# Altium PCB Control_Board_Model_C204.PcbDoc (part 1 of 6) (continued)
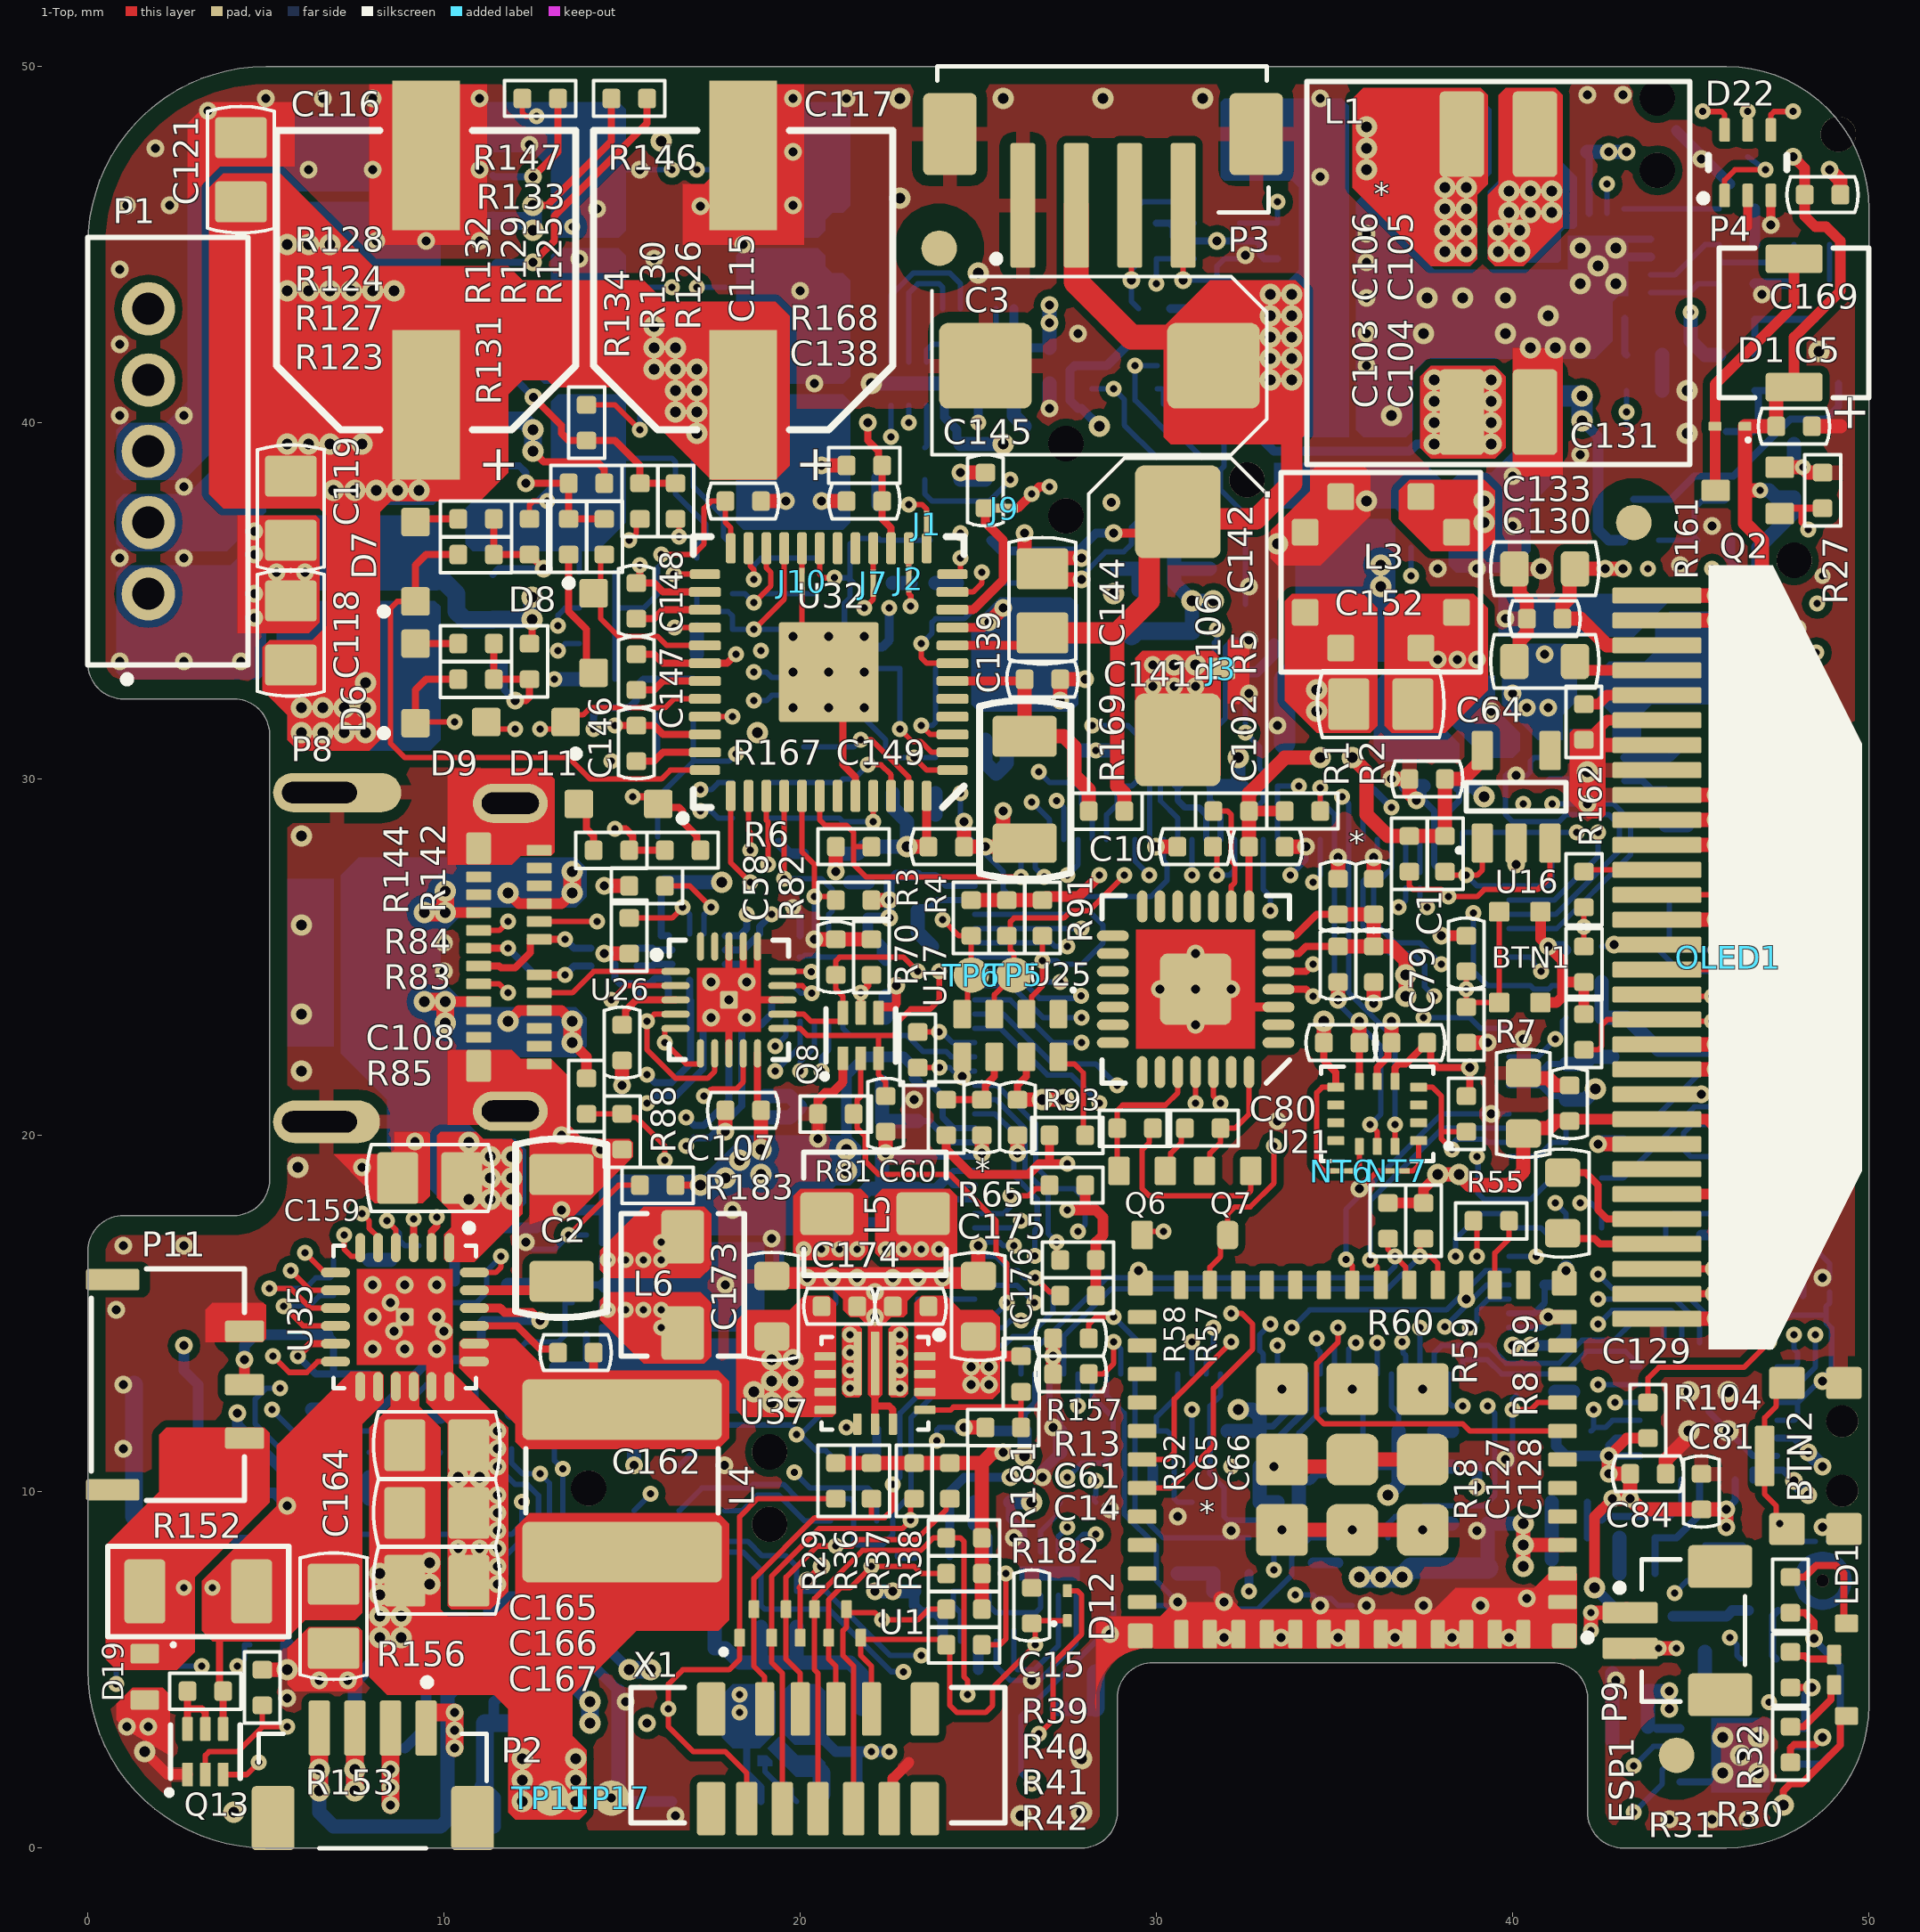
[diagram p0: 1-Top view]
## Components (designator, comment, footprint, x,y, rotation, side; value= is the part's Value field where it differs from the comment) (continued)
C157 "CAP CER 2.2UF 35V X5R 0603" C0603 43,33.6 r90 bottom (schematic designator C3)
C159 "CAP CER 1UF 25V X7R 0805" C0805 9.6,18.8 r180 top (schematic designator C3)
C162 "CAP CER 0.047UF 50V X7R 0402" C0402 13.7,13.9 r0 top (schematic designator C2)
C163 "CAP CER 4.7UF 10V X5R 0603" C0603 10.2,14.5 r0 bottom (schematic designator C8)
C164 "CAP CER 10uF X7R 10% 0805" C0805 6.9,6.5 r90 top (schematic designator C4)
C165 "CAP CER 10uF X7R 10% 0805" C0805 9.8,11.3 r180 top (schematic designator C5)
C166 "CAP CER 10uF X7R 10% 0805" C0805 9.8,9.4 r180 top (schematic designator C6)
C167 "CAP CER 10uF X7R 10% 0805" C0805 9.8,7.5 r180 top (schematic designator C7)
C168 "CAP CER 0.1UF 50V X7R 0402" C0402 14.8,12.5 r0 bottom (schematic designator C1)
C169 "CAP CER 0.1UF 50V X7R 0402" C0402 48.7,46.4 r180 top (schematic designator C1)
C173 "CAP CER 10UF 16V X5R 0603" C0603 19.2,15.2 r270 top (schematic designator C1)
C174 "CAP CER 0.1UF 50V X7R 0402" C0402 21.1,15.2 r180 top (schematic designator C2)
C175 "CAP CER 0.1UF 50V X7R 0402" C0402 23.1,15.2 r0 top (schematic designator C3)
C176 "CAP CER 47UF 6.3V X5R 0603" C0603 25,15.2 r270 top (schematic designator C4)
C177 "CAP CER 10UF 16V X5R 0603" C0603 18.3,14.4 r270 bottom (schematic designator C1)
C178 "CAP CER 0.1UF 50V X7R 0402" C0402 17,14.5 r270 bottom (schematic designator C2)
C179 "CAP CER 0.1UF 50V X7R 0402" C0402 17,17.1 r90 bottom (schematic designator C3)
C180 "CAP CER 47UF 6.3V X5R 0603" C0603 18.3,17.3 r90 bottom (schematic designator C4)
D1 "NSR0140P2T5G" SODFL100X40-2N#1 46.1,39.9 r180 top (schematic designator D4)
D2 "BAT30KFILM" SOD-523 4.6,9.3 r90 bottom (schematic designator D3)
D3 "SMF05CT1G" SOT363_SOP65P210X265-6N 47.9,28.8 r180 bottom (schematic designator D6)
D4 "DF2S23P2CTC,L3F" CST2C 7.1,24.3 r180 bottom (schematic designator D1)
D5 "PMEG4050EP,115" SOD-128 34.8,48 r0 bottom (schematic designator D1)
D6 "1N4148WSTR" SOD-323F 9.2,32.685 r90 top (schematic designator D1)
D7 "1N4148WSTR" SOD-323F 9.2,36.1 r90 top (schematic designator D2)
D8 "1N4148WSTR" SOD-323F 14.2,34.1 r270 top (schematic designator D3)
D9 "1N4148WSTR" SOD-323F 12.3,31.6 r180 top (schematic designator D5)
D10 "1N4148WSTR" SOD-323F 16,29.7 r90 bottom (schematic designator D4)
D11 "1N4148WSTR" SOD-323F 14.9,29.3 r180 top (schematic designator D6)
D12 "NSR0140P2T5G" SODFL100X40-2N#2 27.5,6.8 r90 top (schematic designator D2)
D14 "SMF05CT1G" SOT363_SOP65P210X265-6N 29.1,41.6 r0 bottom (schematic designator D3)
D15 "STPS1L60ZF" SOD-123FL 25.5,31.8 r270 bottom (schematic designator D1)
D16 "BAT30KFILM" SOD-523 21.9,34.3 r180 bottom (schematic designator D2)
D17 "STPS120MF" SODFL375X95-2N 35.2,33.968 r270 bottom (schematic designator D1)
D18 "MMSZ5226B-7-F" SOD-123 35.2,31 r0 bottom (schematic designator D2)
D19 "ESDA7P120-1U1M" ST_QFN_1610 1.6,4.8 r270 top (schematic designator D1)
D20 "ESDA7P120-1U1M" ST_QFN_1610 7.4,14.4 r0 bottom (schematic designator D2)
D21 "SMF05CT1G" SOT363_SOP65P210X265-6N 21.5,10.1 r270 bottom (schematic designator D1)
D22 "SMF05CT1G" SOT363_SOP65P210X265-6N 46.6,47.3 r90 top (schematic designator D1)
ESP1 "ESP32-PICO-MINI-02-N8R2" MODULE_ESP32-C3-MINI-1 35.5,10.9 r180 top locked (schematic designator ESP32_MOD)
FB3 "FERRITE BEAD 1 KOHM 0402 1LN" L0402 43.6,36.7 r0 bottom (schematic designator FB1)
FB4 "FERRITE BEAD 1 KOHM 0402 1LN" L0402 20.5,17.5 r180 bottom (schematic designator FB1)
FB5 "FERRITE BEAD 1 KOHM 0402 1LN" L0402 44,6.5 r0 bottom (schematic designator FB3)
FB7 "FERRITE BEAD 470 OHM 0603 1LN" L0603 40.8,39.9 r270 bottom (schematic designator FB1)
J1 "Net Tie" "Net Tie 6x30mil"#1 23.55,37.153 r90 top net-tie
J2 "Net Tie" "Net Tie 6x30mil"#1 23.05,35.622 r270 top net-tie (schematic designator J4)
J3 "Net Tie" "Net Tie 6x30mil"#2 31.822,33.1 r180 top net-tie (schematic designator J7)
J5 "Net Tie" "Net Tie 6x30mil"#1 18.122,39 r180 bottom net-tie (schematic designator J3)
J6 "Net Tie" "Net Tie 6x30mil"#1 18.078,43.8 r180 bottom net-tie (schematic designator J5)
J7 "Net Tie" "Net Tie 6x30mil"#1 22.05,35.497 r270 top net-tie (schematic designator J2)
J8 "Net Tie" "Net Tie 6x30mil"#1 18.078,47.1 r180 bottom net-tie (schematic designator J6)
J9 "Net Tie" "Net Tie 6x30mil"#3 25.722,37.6 r0 top net-tie (schematic designator J2)
J10 "Net Tie" "Net Tie 6x30mil"#1 20.05,35.547 r90 top net-tie (schematic designator J3)
J11 "Net Tie" "Net Tie 6x30mil"#1 29.5,30.578 r270 bottom net-tie (schematic designator J1)
L1 "FIXED IND COUIPLED 2.2UH 3.2A 22 MOHM SMD" IND_MSD1048H 39.6,44.2 r270 top
L2 "FIXED IND 22UH 600MA 450MOHM SMD" IND_WE_LQSH_3015 28.2,33.4 r180 bottom (schematic designator L1)
L3 "FIXED IND COUIPLED 6.8UH 1.2A 160 mOHM SMD" IND_LPD5030 36.3,35.8 r0 top (schematic designator L1)
L4 "FIXED IND 2.2UH 7.5A 16.1MOHM SM" IND_WE_MAPI 15,10.3 r270 top (schematic designator L1)
L5 "FIXED IND 1UH 5A 24 MOHM SMD" IND_IHLP-1212B00 22.1,17.8 r0 top (schematic designator L1)
L6 "FIXED IND 1UH 5A 24 MOHM SMD" IND_IHLP-1212B00 16.7,15.8 r90 top (schematic designator L1)
LD1 "EASV2713RGBA1" LED_EASV2713RGBA1 49.4,5 r90 top
NT1 "Net Tie" "Net Tie 6x30mil"#1 37.4,27.122 r270 bottom net-tie (schematic designator NT2)
NT2 "Net Tie" "Net Tie 6x30mil"#1 37,27.122 r270 bottom net-tie (schematic designator NT3)
NT3 "Net Tie" "Net Tie 6x30mil"#1 19.722,25 r180 bottom net-tie (schematic designator NT1)
NT4 "Net Tie" "Net Tie 6x30mil"#1 48.678,8.6 r180 bottom net-tie
NT5 "Net Tie" "Net Tie 6x30mil"#1 48.9,15.778 r270 bottom net-tie
NT6 "Net Tie" "Net Tie 6x30mil"#1 35.178,19 r180 top net-tie
NT7 "Net Tie" "Net Tie 6x30mil"#1 36.722,19 r180 top net-tie
OLED1 "QG-2864KSWEG01" QG-2864KSWEG01_FRONT 44.3,25 r180 top locked (schematic designator OLED)
P1 "BLDC Motor" CONN_JST_B5B-PH-K-S(LF)(SN) 2.25,39.2 r90 top (schematic designator P17)
P2 "Stepper Motor" CONN_JST_BM04B-NSHSS-TBT 8,1.6 r0 top locked (schematic designator P25)
P3 "DC Motor" CONN_JST_B4B-ZR-SM4-TF(LF)(SN) 28.5,48.1 r180 top (schematic designator P16)
P4 "BUZZ" SMT-0440-S-R_PUI 47.9,42.8 r90 top (schematic designator P2)
P5 "S201" CONN_0545500571#1 25,44.7 r0 bottom locked (schematic designator P20)
P6 "S202" CONN_0545500571#2 25,4.3 r180 bottom locked (schematic designator P28)
P8 "USB" MOLEX_2012670005 8.7,25 r270 top locked (schematic designator P10)
P9 "SP" CONN_JST_BM2B-SRSS-TB 45.1,6.1 r90 top (schematic designator P3)
P11 "BATT" CONN_JST_BM03B-AUHKS-GA-TB(LF)(SN) 0.7,13 r270 top (schematic designator P1)
Q1 "DMN32D2LV-7" SON_400UV-7_DIO 31.7,45.1 r0 bottom (schematic designator Q2)
Q2 "BSS816NWH6327XTSA1" SOT-323#1 46.6,38.1 r180 top (schematic designator Q3)
Q6 "BC847CW,115" SOT-323#1 29.6,18.1 r270 top (schematic designator Q4)
Q7 "BC847CW,115" SOT-323#2 32,18.1 r270 top (schematic designator Q5)
Q8 "DMN32D2LV-7" SON_400UV-7_DIO 21.7,22.8 r90 top (schematic designator Q1)
Q9 "BC847CW,115" SOT-323#1 48.5,42 r90 bottom (schematic designator Q1)
Q10 "STL36DN6F7" "POWERFLAT™ (5X6)" 8.7,35.1 r180 bottom (schematic designator Q1)
Q11 "STL36DN6F7" "POWERFLAT™ (5X6)" 8.7,40.7 r180 bottom (schematic designator Q2)
Q12 "STL36DN6F7" "POWERFLAT™ (5X6)" 8.7,46.3 r180 bottom (schematic designator Q3)
Q13 "EM6M2T2R" SON_400UV-7_DIO 3.3,2.7 r90 top (schematic designator Q9)
R1 "RES SMD 4.75K OHM 1% 1/16W 0402" R0402 37.1,27.9 r90 top (schematic designator R14)
R2 "RES SMD 4.75K OHM 1% 1/16W 0402" R0402 38.1,27.9 r90 top (schematic designator R15)
R3 "RES SMD 4.75K OHM 1% 1/16W 0402" R0402 24.8,26.1 r90 top (schematic designator R16)
R4 "RES SMD 4.75K OHM 1% 1/16W 0402" R0402 25.8,26.1 r90 top (schematic designator R17)
R5 "RES SMD 2.7K OHM 1% 1/16W 0402" R0402 34.1,29.1 r180 top (schematic designator R18)
R6 "RES SMD 2.7K OHM 1% 1/16W 0402" R0402 21.5,26.6 r0 top (schematic designator R19)
R7 "RES SMD 10K OHM 1% 1/16W 0402" R0402 38.7,23.1 r270 top (schematic designator R20)
R8 "RES SMD 100K OHM 1% 1/16W 0402" R0402 42,22.9 r270 top (schematic designator R21)
R9 "RES SMD 100K OHM 1% 1/16W 0402" R0402 42,24.8 r90 top (schematic designator R22)
R10 "RES SMD 100K OHM 1% 1/16W 0402" R0402 33,29.8 r0 bottom (schematic designator R23)
R11 "RES SMD 100K OHM 1% 1/16W 0402" R0402 28.9,30.3 r270 bottom (schematic designator R24)
R12 "RES SMD 100K OHM 1% 1/16W 0402" R0402 27.8,30.3 r270 bottom (schematic designator R25)
R13 "RES SMD 100K OHM 1% 1/16W 0402" R0402 27.8,15.5 r180 top (schematic designator R26)
R14 "RES SMD 100K OHM 1% 1/16W 0402" R0402 20.5,16 r0 bottom (schematic designator R27)
R15 "RES SMD 100K OHM 1% 1/16W 0402" R0402 31.5,11.7 r180 bottom (schematic designator R28)
R16 "RES SMD 100K OHM 1% 1/16W 0402" R0402 42,24.3 r180 bottom (schematic designator R29)
R17 "RES SMD 100K OHM 1% 1/16W 0402" R0402 42,23.3 r180 bottom (schematic designator R30)
R18 "RES SMD 100K OHM 1% 1/16W 0402" R0402 38.7,20.6 r270 top (schematic designator R31)
R19 "RES SMD 0 OHM JUMPER 1/16W 0402" R0402 42,17.2 r0 bottom (schematic designator R32)
R20 "RES SMD 0 OHM JUMPER 1/16W 0402" R0402 42,18.8 r0 bottom (schematic designator R33)
R21 "RES SMD 10K OHM 1% 1/16W 0402" R0402 30,45.1 r270 bottom (schematic designator R38)
R22 "RES SMD 10K OHM 1% 1/16W 0402" R0402 33.4,45.1 r90 bottom (schematic designator R39)
R23 "DNP*" R0402 31,41.6 r90 bottom (schematic designator R40)
R24 "RES SMD 10K OHM 1% 1/16W 0402" R0402 31.8,43.2 r0 bottom (schematic designator R41)
R25 "RES SMD 10K OHM 1% 1/16W 0402" R0402 29.9,43.2 r180 bottom (schematic designator R42)
R26 "DNP*" R0402 32,41.6 r270 bottom (schematic designator R43)
R27 "RES SMD 10K OHM 1% 1/16W 0402" R0402 48.7,38.1 r90 top (schematic designator R53)
R29 "RES SMD 100K OHM 1% 1/16W 0402" R0402 21,10.3 r90 top (schematic designator R55)
R30 "RES SMD 100 OHM 1% 1/16W 0402" R0402 47.8,5 r270 top (schematic designator R56)
R31 "RES SMD 100 OHM 1% 1/16W 0402" R0402 47.8,2.9 r270 top (schematic designator R57)
R32 "RES SMD 100 OHM 1% 1/16W 0402" R0402 47.8,7.1 r270 top (schematic designator R58)
R36 "RES SMD 100K OHM 1% 1/16W 0402" R0402 22,10.3 r90 top (schematic designator R62)
R37 "RES SMD 100K OHM 1% 1/16W 0402" R0402 23.2,10.3 r90 top (schematic designator R63)
R38 "RES SMD 100K OHM 1% 1/16W 0402" R0402 24.2,10.3 r90 top (schematic designator R64)
R39 "RES SMD 100K OHM 1% 1/16W 0402" R0402 24.6,8.7 r0 top (schematic designator R65)
R40 "RES SMD 100K OHM 1% 1/16W 0402" R0402 24.6,7.7 r0 top (schematic designator R66)
R41 "RES SMD 100K OHM 1% 1/16W 0402" R0402 24.6,6.7 r0 top (schematic designator R67)
R42 "RES SMD 0 OHM JUMPER 1/16W 0402" R0402 24.6,5.7 r0 top (schematic designator R12)
R55 "RES SMD 0 OHM JUMPER 1/16W 0402" R0402 39.4,17.6 r0 top (schematic designator R90)
R56 "RES SMD 0 OHM JUMPER 1/16W 0402" R0402 36,8.7 r0 bottom (schematic designator R69)
R57 "RES SMD 10K OHM 1% 1/16W 0402" R0402 31.3,20.2 r180 top (schematic designator R70)
R58 "RES SMD 10K OHM 1% 1/16W 0402" R0402 29.4,20.2 r0 top (schematic designator R71)
R59 "RES SMD 100K OHM 1% 1/16W 0402" R0402 37.5,17.6 r270 top (schematic designator R72)
R60 "RES SMD 100K OHM 1% 1/16W 0402" R0402 36.5,17.6 r270 top (schematic designator R73)
R63 "RES SMD 0 OHM JUMPER 1/16W 0402" R0402 23.5,38.9 r90 bottom (schematic designator R44)
R64 "RES SMD 0 OHM JUMPER 1/16W 0402" R0402 27.8,9.7 r180 bottom (schematic designator R45)
R65 "RES SMD 10K OHM 1% 1/16W 0402" R0402 27.5,18.6 r180 top (schematic designator R5)
R66 "DNP*" R0402 25,41.1 r270 bottom (schematic designator R47)
R67 "DNP*" R0402 24.2,7.7 r90 bottom (schematic designator R48)
R68 "RES SMD 68.1K OHM 1% 1/16W 0402" R0402 6.9,9.3 r90 bottom (schematic designator R1)
R69 "RES SMD 18.2K OHM 1% 1/16W 0402" R0402 10.4,13.1 r180 bottom (schematic designator R2)
R70 "RES SMD 18.2K OHM 1% 1/16W 0402" R0402 23.3,22.4 r270 top (schematic designator R3)
R71 "RES SMD 360KOHM 1% 1/16W 0402" R0402 6.4,7.8 r180 bottom (schematic designator R4)
R72 "RES SMD 10K OHM 1% 1/16W 0402" R0402 7.9,9.3 r270 bottom (schematic designator R5)
R73 "RES SMD 1K OHM 1% 1/16W 0402" R0402 9.4,11.1 r0 bottom (schematic designator R6)
R74 "RES SMD 47K OHM 1% 1/16W 0402" R0402 10.2,9.3 r270 bottom (schematic designator R7)
R75 "RES SMD 10K OHM 1% 1/16W 0402" R0402 19.9,6.7 r90 bottom (schematic designator R8)
R76 "RES SMD 10K OHM 1% 1/16W 0402" R0402 18.9,6.7 r90 bottom (schematic designator R9)
R77 "RES SMD 10K OHM 1% 1/16W 0402" R0402 12.9,11.7 r270 bottom (schematic designator R10)
R78 "RES SMD 10K OHM 1% 1/16W 0402" R0402 11.9,11.7 r270 bottom (schematic designator R11)
R79 "RES SMD 2.2 OHM 5% 1W 2512" R2512#1 6,2.8 r0 bottom (schematic designator R12)
R80 "RES SMD 2.2 OHM 5% 1W 2512" R2512#1 16.4,4.2 r270 bottom (schematic designator R13)
R81 "RES SMD 100K OHM 1% 1/16W 0402" R0402 21,20.6 r0 top (schematic designator R1)
R82 "RES SMD 100K OHM 1% 1/16W 0402" R0402 22,25 r270 top (schematic designator R2)
R83 "RES SMD 10K OHM 1% 1/16W 0402" R0402 15.2,25.6 r270 top (schematic designator R3)
R84 "RES SMD 10K OHM 1% 1/16W 0402" R0402 15.7,27 r180 top (schematic designator R4)
R85 "RES SMD 390K OHM 1% 1/16W 0402" R0402 14,21.1 r270 top (schematic designator R34)
R86 "RES SMD 390K OHM 1% 1/16W 0402" R0402 32.6,8.2 r90 bottom (schematic designator R35)
R87 "RES SMD 27K OHM 1% 1/16W 0402" R0402 29.3,6.8 r0 bottom (schematic designator R91)
R88 "RES SMD 75K OHM 1% 1/16W 0402" R0402 15,20.1 r90 top (schematic designator R36)
R89 "RES SMD 75K OHM 1% 1/16W 0402" R0402 31.6,8.2 r90 bottom (schematic designator R37)
R90 "RES SMD 75K OHM 1% 1/16W 0402" R0402 36,6.8 r180 bottom (schematic designator R92)
R91 "RES SMD 10K OHM 1% 1/16W 0402" R0402 26.8,26.1 r270 top (schematic designator R1)
R92 "RES SMD 402 OHM 1% 1/16W 0402" R0402 24.1,20.5 r270 top (schematic designator R2)
R93 "RES SMD 10K OHM 1% 1/16W 0402" R0402 27.5,20 r0 top (schematic designator R3)
R94 "RES SMD 54.9K OHM 1% 1/16W 0402" R0402 43.7,41.9 r180 bottom (schematic designator R1)
R95 "RES SMD 1.2K OHM 1% 1/16W 0402" R0402 48.4,45 r180 bottom (schematic designator R2)
R96 "DNP*" R0402 43.7,40.9 r0 bottom (schematic designator R3)
R97 "RES SMD 10K OHM 1% 1/16W 0402" R0402 46.3,43.9 r0 bottom (schematic designator R4)
R98 "RES SMD 2.7K OHM 1% 1/16W 0402" R0402 46.3,40.9 r0 bottom (schematic designator R5)
R99 "RES SMD 44.2K OHM 1% 1/16W 0402" R0402 46.3,42.9 r180 bottom (schematic designator R6)
R100 "RES SMD 11K OHM 1% 1/16W 0402" R0402 46.3,41.9 r180 bottom (schematic designator R7)
R101 "RES SMD 100 OHM 1% 1/16W 0402" R0402 46.9,5.3 r180 bottom (schematic designator R49)
R102 "RES SMD 63.4K OHM 1% 1/16W 0402" R0402 41.6,9.7 r180 bottom (schematic designator R50)
R103 "RES SMD 100K OHM 1% 1/16W 0402" R0402 41.7,11.7 r180 bottom (schematic designator R51)
R104 "RES SMD 100K OHM 1% 1/16W 0402" R0402 43.8,12 r270 top (schematic designator R52)
R105 "RES SMD 100 OHM 1% 1/16W 0402" R0402 31,10.2 r270 bottom (schematic designator R1)
R106 "RES SMD 1K OHM 1% 1/16W 0402" R0402 32.1,29.1 r180 top (schematic designator R3)
R107 "RES SMD 100 OHM 1% 1/16W 0402" R0402 39.5,11.7 r180 bottom (schematic designator R1)
R108 "RES SMD 10K OHM 1% 1/16W 0402" R0402 39.5,10.7 r0 bottom (schematic designator R2)
R109 "RES SMD 1.78K OHM 1% 1/16W 0402" R0402 18.1,35.7 r270 bottom (schematic designator R3)
R110 "RES SMD 1.78K OHM 1% 1/16W 0402" R0402 17.1,35.7 r270 bottom (schematic designator R12)
R111 "RES SMD 1.78K OHM 1% 1/16W 0402" R0402 21.3,33.1 r0 bottom (schematic designator R22)
R112 "RES SMD 1.78K OHM 1% 1/16W 0402" R0402 21.3,32.1 r0 bottom (schematic designator R31)
R113 "RES SMD 2.2K OHM 1% 1/16W 0402" R0402 14.3,35.8 r0 bottom (schematic designator R37)
R114 "RES SMD 2.2K OHM 1% 1/16W 0402" R0402 14.3,34.8 r0 bottom (schematic designator R38)
R115 "RES SMD 2.2K OHM 1% 1/16W 0402" R0402 14.3,33.8 r0 bottom (schematic designator R40)
R116 "RES SMD 27.4K OHM 1% 1/16W 0402" R0402 19.9,34.2 r0 bottom (schematic designator R9)
R117 "RES SMD 27.4K OHM 1% 1/16W 0402" R0402 17.6,34.2 r0 bottom (schematic designator R15)
R118 "RES SMD 27.4K OHM 1% 1/16W 0402" R0402 22.6,30.1 r270 bottom (schematic designator R28)
R119 "RES SMD 27.4K OHM 1% 1/16W 0402" R0402 23.8,30.1 r90 bottom (schematic designator R34)
R120 "RES SMD 24.3K OHM 1% 1/16W 0402" R0402 14.3,32.8 r0 bottom (schematic designator R39)
R121 "RES SMD 13.7K OHM 1% 1/16W 0402" R0402 20.4,35.7 r90 bottom (schematic designator R4)
R122 "RES SMD 13.7K OHM 1% 1/16W 0402" R0402 23.3,33.1 r0 bottom (schematic designator R23)
R123 "RES SMD 62 OHM 1% 1/16W 0402" R0402 10.9,32.8 r0 top (schematic designator R2)
R124 "RES SMD 62 OHM 1% 1/16W 0402" R0402 10.9,36.3 r0 top (schematic designator R11)
R125 "RES SMD 62 OHM 1% 1/16W 0402" R0402 14.5,36.8 r90 top (schematic designator R20)
R126 "RES SMD 62 OHM 1% 1/16W 0402" R0402 16.5,37.8 r90 top (schematic designator R29)
R127 "RES SMD 10 OHM 1% 1/16W 0402" R0402 10.9,33.8 r0 top (schematic designator R1)
R128 "RES SMD 10 OHM 1% 1/16W 0402" R0402 10.9,37.3 r0 top (schematic designator R8)
R129 "RES SMD 10 OHM 1% 1/16W 0402" R0402 13.5,36.8 r90 top (schematic designator R18)
R130 "RES SMD 10 OHM 1% 1/16W 0402" R0402 15.5,37.8 r90 top (schematic designator R26)
R131 "RES SMD 75K OHM 1% 1/16W 0402" R0402 12.4,33.3 r90 top (schematic designator R7)
R132 "RES SMD 75K OHM 1% 1/16W 0402" R0402 12.4,36.8 r90 top (schematic designator R14)
R133 "RES SMD 75K OHM 1% 1/16W 0402" R0402 14,38.3 r0 top (schematic designator R24)
R134 "RES SMD 75K OHM 1% 1/16W 0402" R0402 14,40 r90 top (schematic designator R32)
R135 "RES 0.04 OHM 1% 2W  2512" R2512#2 16.9,38.9 r180 bottom (schematic designator R17)
R136 "RES 0.04 OHM 1% 2W  2512" R2512#2 16.9,43 r180 bottom (schematic designator R35)
R137 "RES SMD 1.78K OHM 1% 1/16W 0402" R0402 18.6,29.9 r0 bottom (schematic designator R5)
R138 "RES SMD 1.78K OHM 1% 1/16W 0402" R0402 18.6,28.9 r0 bottom (schematic designator R13)
R139 "RES SMD 27.4K OHM 1% 1/16W 0402" R0402 21.1,28.4 r270 bottom (schematic designator R10)
R140 "RES SMD 27.4K OHM 1% 1/16W 0402" R0402 20.1,28.4 r90 bottom (schematic designator R16)
R141 "RES SMD 62 OHM 1% 1/16W 0402" R0402 17,32.3 r90 bottom (schematic designator R21)
R142 "RES SMD 62 OHM 1% 1/16W 0402" R0402 16.7,28 r180 top (schematic designator R30)
R143 "RES SMD 10 OHM 1% 1/16W 0402" R0402 16,32.3 r90 bottom (schematic designator R19)
R144 "RES SMD 10 OHM 1% 1/16W 0402" R0402 14.7,28 r0 top (schematic designator R27)
R145 "RES SMD 13.7K OHM 1% 1/16W 0402" R0402 20.1,30.4 r90 bottom (schematic designator R6)
R146 "RES SMD 75K OHM 1% 1/16W 0402" R0402 15.2,49.1 r180 top (schematic designator R25)
R147 "RES SMD 75K OHM 1% 1/16W 0402" R0402 12.7,49.1 r180 top (schematic designator R33)
R148 "RES 0.04 OHM 1% 2W  2512" R2512#3 16.9,47.1 r180 bottom (schematic designator R36)
R149 "RES SMD 10K OHM 1% 1/16W 0402" R0402 46.8,17.2 r0 bottom (schematic designator R1)
R150 "RES SMD 10K OHM 1% 1/16W 0402" R0402 44.8,17.2 r180 bottom (schematic designator R2)
R151 "RES SMD 10K OHM 1% 1/16W 0402" R0402 42,25.3 r0 bottom (schematic designator R3)
R152 "RES 0.01 OHM 1% 1/2W 1206" R1206 3.1,7.2 r180 top (schematic designator R5)
R153 "RES SMD 100K OHM 1% 1/16W 0402" R0402 3.3,4.4 r0 top (schematic designator R6)
R154 "RES SMD 10K OHM 1% 1/16W 0402" R0402 9.8,16.9 r180 bottom (schematic designator R7)
R155 "RES SMD 10K OHM 1% 1/16W 0402" R0402 9.8,15.9 r180 bottom (schematic designator R8)
R156 "RES SMD 100K OHM 1% 1/16W 0402" R0402 4.9,4.5 r270 top (schematic designator R46)
R157 "RES SMD 10K OHM 1% 1/16W 0402" R0402 27.8,16.5 r180 top (schematic designator R9)
R158 "RES SMD 10K OHM 1% 1/16W 0402" R0402 24.9,11.7 r180 bottom (schematic designator R10)
R159 "RES SMD 0 OHM JUMPER 1/16W 0402" R0402 12.6,13.5 r0 bottom (schematic designator R11)
R160 "RES SMD 0 OHM JUMPER 1/16W 0402" R0402 19.4,1.3 r180 bottom (schematic designator R13)
R161 "RES SMD 910K OHM 1% 1/16W 0402" R0402 42,31.6 r270 top (schematic designator R1)
R162 "RES SMD 1K OHM 1% 1/16W 0402" R0402 42,26.9 r90 top (schematic designator R2)
R163 "RES SMD 100 OHM 1% 1/16W 0402" R0402 45.4,8 r90 bottom (schematic designator R88)
R165 "RES SMD 100 OHM 1% 1/16W 0402" R0402 32.5,34.4 r270 bottom (schematic designator R3)
R166 "RES SMD 39K OHM 1% 1/16W 0402" R0402 32,35.9 r0 bottom (schematic designator R2)
R167 "RES SMD 10K OHM 1% 1/16W 0402" R0402 21.5,28.1 r180 top (schematic designator R5)
R168 "RES SMD 10K OHM 1% 1/16W 0402" R0402 21.8,38.8 r180 top (schematic designator R4)
R169 "DNP*" R0402 28.6,29.1 r0 top (schematic designator R1)
R170 "RES 169K OHM 0.1% 1/8W 0603" R0603 24.5,36.7 r0 bottom (schematic designator R6)
R171 "RES SMD 9.31KOHM 0.1% 1/10W 0603" R0603 22.2,37.6 r270 bottom (schematic designator R7)
R172 "RES SMD 3.4 OHM 1% 1/10W 0603" R0603 37.9,32.4 r180 bottom (schematic designator R1)
R173 "RES SMD 10K OHM 1% 1/16W 0402" R0402 39.9,30.6 r90 bottom (schematic designator R1)
R174 "RES SMD 100 OHM 1% 1/2W 0805" R0805 44.7,31.8 r90 bottom (schematic designator R2)
R175 "RES SMD 200 OHM 1% 1/16W 0402" R0402 7.4,15.5 r0 bottom (schematic designator R3)
R176 "RES SMD 10K OHM 1% 1/16W 0402" R0402 7.4,16.5 r0 bottom (schematic designator R4)
R177 "RES SMD 5.36K OHM 1% 1/16W 0402" R0402 7.9,12.8 r90 bottom (schematic designator R1)
R178 "RES SMD 31.6K OHM 1% 1/16W 0402" R0402 6.9,12.8 r90 bottom (schematic designator R2)
R181 "RES SMD 560K OHM 1% 1/16W 0402" R0402 26.2,13.3 r90 top (schematic designator R1)
R182 "RES SMD 180K OHM 1% 1/16W 0402" R0402 25.7,11.8 r0 top (schematic designator R2)
R183 "RES SMD 560K OHM 1% 1/16W 0402" R0402 16,18.6 r0 top (schematic designator R1)
R184 "RES SMD 180K OHM 1% 1/16W 0402" R0402 12.5,16.3 r90 bottom (schematic designator R2)
TP1 "Test Point Pad" Testpoint 43.4,1 r0 bottom
TP2 "Test Point Pad" Testpoint 43.4,2.3 r0 bottom
TP3 "Test Point Pad" Testpoint 41.1,27.7 r0 bottom
TP4 "Test Point Pad" Testpoint 36.1,29.7 r0 bottom
TP5 "Test Point Pad" Testpoint 26,24.5 r180 top
TP6 "Test Point Pad" Testpoint 24.8,24.5 r180 top
TP7 "Test Point Pad" Testpoint 34.8,40.2 r0 bottom
TP8 "Test Point Pad" Testpoint 44.7,34.2 r0 bottom
TP9 "Test Point Pad" Testpoint 21.6,1.3 r0 bottom
TP10 "Test Point Pad" Testpoint 15.1,18.4 r0 bottom
TP11 "Test Point Pad" Testpoint 13,1.4 r180 top
TP12 "Test Point Pad" Testpoint 7.6,25.7 r0 bottom
TP13 "Test Point Pad" Testpoint 6.3,25.7 r0 bottom
TP14 "Test Point Pad" Testpoint 36.6,40.2 r0 bottom
TP15 "Test Point Pad" Testpoint 23.1,1.3 r0 bottom
TP16 "Test Point Pad" Testpoint 15.1,19.8 r0 bottom
TP17 "Test Point Pad" Testpoint 14.7,1.4 r180 top
TP18 "Test Point Pad" Testpoint 44.7,35.5 r0 bottom
U1 "D3V3F8U9LP3810-7" U-DFN3810-9 20,6.3 r0 top (schematic designator U7)
U6 "TPD3F303DPVR" DPV8_1P7X0P4 23.3,41.1 r270 bottom (schematic designator U3)
U7 "TPD3F303DPVR" DPV8_1P7X0P4 27,7.7 r90 bottom (schematic designator U4)
U8 "LTC2942CDCB#TRMPBF" DFN6 3.1,6.2 r180 bottom (schematic designator U2)
U9 "STSPIN220" VFQFPN-16_STM 12,6.3 r180 bottom (schematic designator U1)
U11 "TS3USB3031RMGR" RMG12_TEX 17.1,25 r270 bottom (schematic designator U1)
U15 "ECMF02-2AMX6" QFN-6L 14.775,24.75 r180 bottom (schematic designator U1)
U16 "24LC00T-I/OT" SOT-23-5 40.1,29.5 r90 top (schematic designator U1)
U17 "RV-3028-C7 32.768KHZ 1PPM-TA-QC" "8-SON (3.2x1.5)" 25.9,22.8 r270 top (schematic designator U1)
U18 "TPS55340RTET" RTE0016C 42.4,44.4 r270 bottom (schematic designator U1)
U19 "TSB7191AILT" SOT-23-5 44.7,38.8 r0 bottom (schematic designator U2)
U20 "TS3USBCA410IRSVT" RSV16_TEX 20.2,24.4 r180 bottom (schematic designator U1)
U21 "BMI270" XDCR_BMI270 36.2,20.6 r180 top (schematic designator U1)
U22 "CMX655DQ6" QFN50P400X400X100_HS-25N 45.5,12.25 r90 bottom (schematic designator U6)
U23 "IC SIT1533AI-H4-DCC-32.768E MEMS OSC XO 32.7680KHZ LVCMOS" XTAL4_SiT1533_SIT 35.3,10.6 r90 bottom (schematic designator U2)
U24 "STM32G473QET6" LPQFP-128 32.4,20.8 r90 bottom locked (schematic designator U1)
U25 "CP2102N-A02-GQFN28R" QFN28_5X5 31.1,24.1 r180 top (schematic designator U1)
U26 "TPD6S300ARUKR" WQFN20_RUK_TEX 18,23.8 r0 top (schematic designator U1)
U27 "LDLN025PU18R" DFN65P100X40-4N 19.4,2.8 r180 bottom (schematic designator U1)
U28 "MT29F2G01ABAGDWB-IT:G TR" U-PDFN-8_8X6_P127 46.3,22.5 r90 bottom (schematic designator U1)
U29 "PCA9632TK,118" SOT908-1 46.4,2.6 r180 bottom (schematic designator U1)
U30 "SPH0641LM4H-1" MIC_SPH0641LM4H-1 48.7,7.5 r270 bottom (schematic designator U12)
U32 "STSPIN32F0ATR" VFQFPN-48 20.8,33 r180 top (schematic designator U1)
U33 "TPS61169DCKR" DCK0005A_L 37.8,35.4 r90 bottom (schematic designator U1)
U34 "TPS22810DRVT" "WSON-6 065" 42.1,30.6 r180 bottom (schematic designator U1)
U35 "BQ25890RTWT" WQFN-24 8.9,14.9 r270 top (schematic designator U1)
U37 "TPS630250RNCT" VFQFN-14 22.1,13.045 r270 top (schematic designator U1)
U38 "TPS630250RNCT" VFQFN-14 14.745,15.8 r180 bottom (schematic designator U1)
X1 "Membrane keypads" CONN_0525590952 20.5,2.5 r0 top locked
X5 "Caption" TC2030-IDC-NL 47.9,33.6 r270 bottom
X7 "Caption" TC2030-IDC-NL 30,38.4 r180 bottom (schematic designator X1)
X8 "DEBUG" TC2030-IDC-NL 16.6,10.1 r0 bottom (schematic designator X1)
X9 "SWD" TC2030-IDC-NL 46.6,48.1 r180 bottom (schematic designator X1)

## Footprints (in the part's own frame and the unit in brackets; to place one, negate y for a bottom-side part, rotate by r counter-clockwise, add the part's x,y. Pads: shape width x height; smd on the part's side, far side on the other; paste and mask are expansions set on the pad)
"8-SON (3.2x1.5)" [mm] "8-WCDFN"
  rrect20% 0.8x0.5 smd: 1(-0.6,1.35) 2(-0.6,0.45) 3(-0.6,-0.45) 4(-0.6,-1.35) 5(0.6,-1.35) 6(0.6,-0.45) 7(0.6,0.45) 8(0.6,1.35)
  silkscreen extent -1.33,1.71 -1.23,1.81, body extent -0.77,-1.63 0.77,1.63, height 0.8
C0402 [mm]
  rrect35% 0.5x0.55 smd: 1(-0.5,0) 2(0.5,0)
  silkscreen extent -1,-0.5 1,0.5, body extent -0.52,-0.28 0.52,0.28, height 0.55
C0603 [mm]
  rrect35% 0.8x0.991 smd: 1(-0.85,0) 2(0.85,0)
  silkscreen extent -1.52,-0.75 1.52,0.75, body extent -0.88,-0.48 0.87,0.47, height 0.87
C0805 [mm]
  rrect15% 1.15x1.45 smd: 1(-0.9,0) 2(0.9,0)
  silkscreen extent -1.78,-0.94 1.77,0.94, body extent -1.1,-0.72 1.1,0.73, height 0.88
C1206#1 [mm]
  rrect20% 1.15x1.8 smd: 1(-1.5,0) 2(1.5,0)
  silkscreen extent -2.51,-1.3 2.51,1.27, body extent -1.7,-0.89 1.7,0.91, height 1.75
C1206#2 [mm]
  rrect20% 1.1x1.8 smd: 1(-1.5,0)
  rrect20% 1.15x1.8 smd: 2(1.5,0)
  silkscreen extent -2.51,-1.3 2.51,1.27, body extent -1.7,-0.89 1.7,0.91, height 1.75
CONN_0525590952 [mm] "9 Position FFC, FPC Connector Contacts, Vertical - 1 Sided 0.020\" (0.50mm) Surface Mount"
  rrect20% 0.6x1.5 smd mask+0.05: 1(-2,-1.4) 3(-1,-1.4) 5(0,-1.4) 7(1,-1.4) 9(2,-1.4)
  rrect20% 0.54x1.5 smd mask+0.05: 2(-1.5,1.4) 4(-0.5,1.4) 6(0.5,1.4) 8(1.5,1.4)
  rrect20% 0.8x1.5 smd mask+0.05: S1(-3,-1.4) S1(-3,1.4) S2(3,-1.4) S2(3,1.4)
  silkscreen extent -5.25,-1.8 5.25,2, body extent -5.1,-1.65 5.1,1.85, height 3.9
CONN_0545500571#1 [mm] "5 Position FFC, FPC Connector Contacts, Top 0.020\" (0.50mm) Surface Mount, Right Angle"
  rrect20% 1.65x1.3 smd mask+0.05: 0(-3.275,-0.4) 0(3.275,-0.4)
  rrect20% 0.3x1 smd mask+0.05: 1(-1,1.5) 2(-0.5,1.5) 3(0,1.5) 4(0.5,1.5) 5(1,1.5)
  silkscreen extent -4.1,-2.3 4.1,2.1, body extent -3.85,-3.3 3.85,1.7, height 1.2
CONN_0545500571#2 [mm] "5 Position FFC, FPC Connector Contacts, Top 0.020\" (0.50mm) Surface Mount, Right Angle"
  rrect20% 1.4x1.3 smd mask+0.05: 0(-3.275,-0.4)
  rrect20% 1.65x1.3 smd mask+0.05: 0(3.275,-0.4)
  rrect20% 0.3x1 smd mask+0.05: 1(-1,1.5) 2(-0.5,1.5) 3(0,1.5) 4(0.5,1.5) 5(1,1.5)
  silkscreen extent -4.1,-2.3 4.1,2.1, body extent -3.85,-3.3 3.85,1.7, height 1.2
CONN_JST_B4B-ZR-SM4-TF(LF)(SN) [mm] "Connector Header Surface Mount 4 position 0.059\" (1.50mm)"
  rrect20% 0.7x3.5 smd: 1(2.25,2) 2(0.75,2) 3(-0.75,2) 4(-2.25,2)
  rrect20% 1.5x2.3 smd: S1(-4.3,0) S2(4.3,0)
  silkscreen extent -4.65,-1.9 4.65,3.6, body extent -4.5,-1.75 4.5,3.45, height 5
CONN_JST_B5B-PH-K-S(LF)(SN) [mm] "CONN HEADER R/A 5POS 2MM"
  round 1.5 hole 0.9: 1(-4,0.55) 2(-2,0.55) 3(0,0.55) 4(2,0.55) 5(4,0.55)
  silkscreen extent -6.5,-2.25 6,2.25, body extent -5.95,-2.25 5.95,2.25, height 6
CONN_JST_BM2B-SRSS-TB [mm]
  rrect20% 0.6x1.55 smd: 1(0.5,1.8) 2(-0.5,1.8)
  rrect20% 1.2x1.8 smd: S1(-1.8,-0.725) S2(1.8,-0.725)
  silkscreen extent -1.99,-1.43 2,2.2, body extent -2,-1.43 2,2.17, height 4.25
CONN_JST_BM03B-AUHKS-GA-TB(LF)(SN) [mm] "Connector Header Surface Mount, Right Angle 3 position"
  rrect20% 0.6x1.1 smd mask+0.05: 1(1.5,3.7) 2(0,3.7) 3(-1.5,3.7)
  rrect20% 0.6x1.5 smd mask+0.05: S1(-2.95,0) S2(2.95,0)
  silkscreen extent -3.25,-0.6 3.25,3.7, body extent -3.27,-0.6 3.28,3.9, height 1.85
CONN_JST_BM04B-NSHSS-TBT [mm] "Connector Header Surface Mount 4 position 0.039\" (1.00mm)"
  rrect20% 0.6x1.55 smd: 1(1.5,1.762) 2(0.5,1.762) 3(-0.5,1.762) 4(-1.5,1.762)
  rrect20% 1.2x1.8 smd: S1(-2.8,-0.763) S2(2.8,-0.763)
  silkscreen extent -3.2,-1.61 3.2,3.15, body extent -3,-1.46 3,2.14, height 4.25